# Altium PCB PicoBOB_DLX.pcbdoc (part 2 of 4)
Units mil, origin at the board's own origin, x right, y up, seen from the top; angles counter-clockwise.
Board outline 2219.49 x 2559.06 mil, 4 copper layers (Top Layer, G1_GND, G2_PWR, Bottom Layer), stack 23.756 mil thick; 146 components, 117 nets, 2972 pads, 241 vias.
Unrouted connection lines stored in the file: 14.
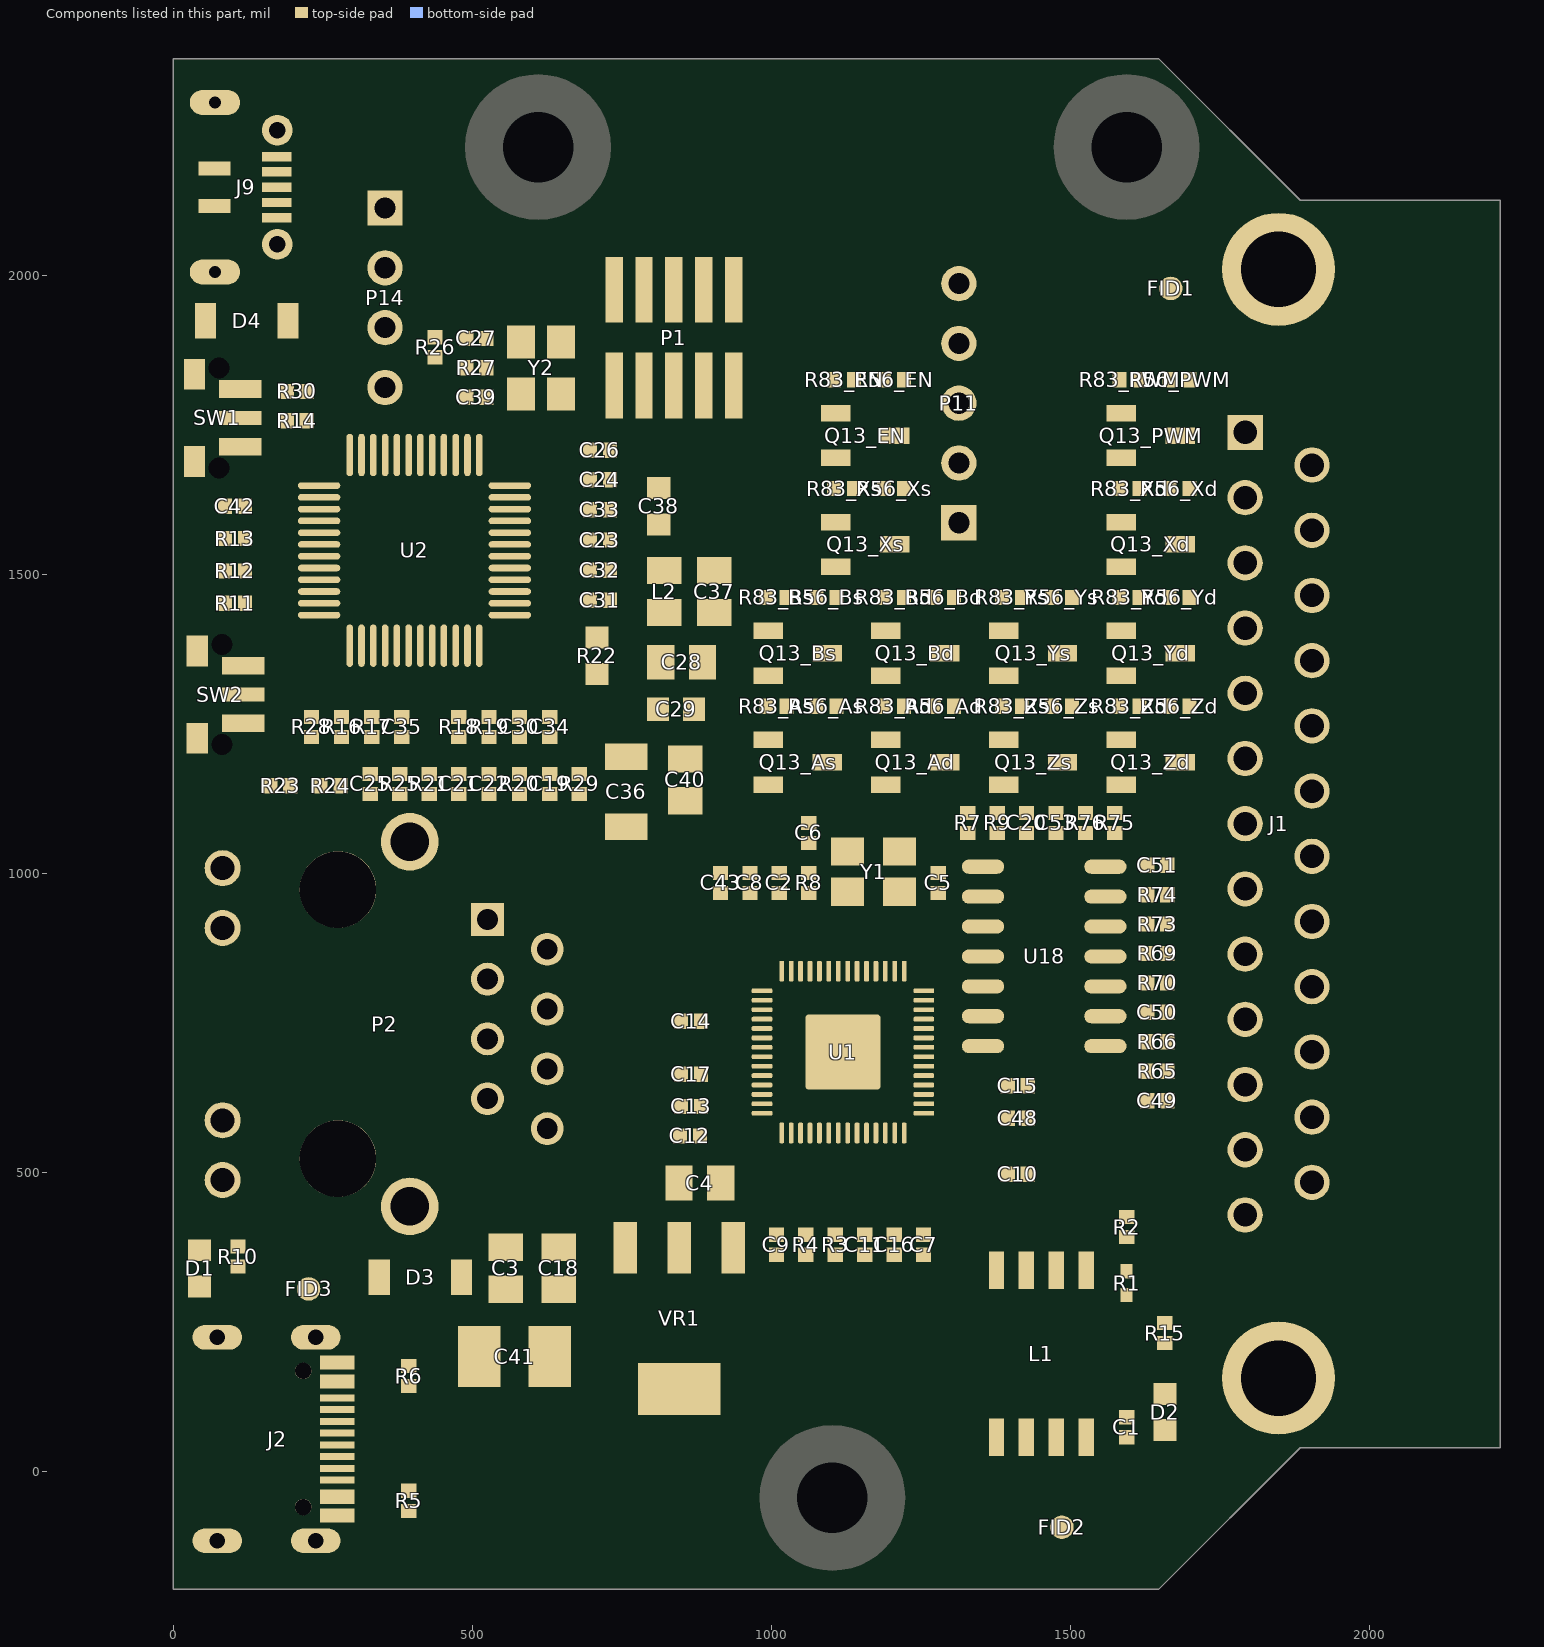
[diagram p4: the components of this part, seen from the top]

## Free pads (board coordinates)
  round 244.09 hole 118.11 unplated: 0(610.24,2214.57) 0(1102.36,-44.29) 0(1594.49,2214.57)
  round 0.93 on Top Solder: 1(830.19,2188.07) 1(830.19,2188.07) 1(830.45,2191.88) 1(830.45,2191.88) 1(830.71,2187.81) 1(830.71,2187.81) 1(830.95,2192.89) 1(830.95,2192.89) 1(831.46,2195.95) 1(831.46,2195.95) 1(832.22,2188.33) 1(832.22,2188.33) 1(832.73,2199) 1(832.73,2199) 1(832.99,2200.76) 1(832.99,2200.76) 1(834,2202.81) 1(834,2202.81) 1(834.26,2190.35) 1(834.26,2190.35) 1(834.26,2204.08) 1(834.26,2204.08) 1(834.51,2191.13) 1(834.51,2191.13) 1(835.01,2191.39) 1(835.01,2191.39) 1(835.27,2192.14) 1(835.27,2192.14) 1(836.02,2192.89) 1(836.02,2192.89) 1(836.02,2207.63) 1(836.02,2207.63) 1(836.28,2193.67) 1(836.28,2193.67) 1(836.8,2210.42) 1(836.8,2210.42) 1(837.05,2194.42) 1(837.05,2194.42) 1(837.55,2211.43) 1(837.55,2211.43) 1(837.81,2212.7) 1(837.81,2212.7) 1(838.07,2196.7) 1(838.07,2196.7) 1(838.56,2196.96) 1(838.56,2196.96) 1(838.56,2213.97) 1(838.56,2213.97) 1(838.82,2197.73) 1(838.82,2197.73) 1(838.82,2215.24) 1(838.82,2215.24) 1(839.33,2197.97) 1(839.33,2197.97) 1(839.33,2297.74) 1(839.33,2297.74) 1(839.59,2198.74) 1(839.59,2198.74) 1(839.59,2303.82) 1(839.59,2303.82) 1(840.09,2290.38) 1(840.09,2290.38) 1(840.09,2304.58) 1(840.09,2304.58) 1(840.35,2199.49) 1(840.35,2199.49) 1(840.35,2217.78) 1(840.35,2217.78) 1(840.6,2219.05) 1(840.6,2219.05) 1(840.6,2289.35) 1(840.6,2289.35) 1(840.6,2200.27) 1(840.6,2200.27) 1(840.86,2287.07) 1(840.86,2287.07) 1(840.86,2304.83) 1(840.86,2304.83) 1(841.1,2304.34) 1(841.1,2304.34) 1(841.36,2201.02) 1(841.36,2201.02) 1(841.61,2284.79) 1(841.61,2284.79) 1(841.61,2304.34) 1(841.61,2304.34) 1(842.13,2221.84) 1(842.13,2221.84) 1(842.37,2203.3) 1(842.37,2203.3) 1(842.37,2223.11) 1(842.37,2223.11) 1(842.88,2277.69) 1(842.88,2277.69) 1(842.88,2302.55) 1(842.88,2302.55) 1(843.14,2204.08) 1(843.14,2204.08) 1(843.4,2204.83) 1(843.4,2204.83) 1(843.4,2301.28) 1(843.4,2301.28) 1(843.64,2301.28) 1(843.64,2301.28) 1(844.15,2205.58) 1(844.15,2205.58) 1(844.15,2274.12) 1(844.15,2274.12) 1(844.41,2206.36) 1(844.41,2206.36) 1(844.41,2299.5) 1(844.41,2299.5) 1(844.67,2299.5) 1(844.67,2299.5) 1(844.91,2227.67) 1(844.91,2227.67) 1(844.91,2298.23) 1(844.91,2298.23) 1(845.16,2207.11) 1(845.16,2207.11) 1(845.16,2228.94) 1(845.16,2228.94) 1(845.16,2298.23) 1(845.16,2298.23) 1(845.42,2207.88) 1(845.42,2207.88) 1(845.42,2268.29) 1(845.42,2268.29) 1(845.68,2296.47) 1(845.68,2296.47) 1(845.94,2296.47) 1(845.94,2296.47) 1(846.18,2208.64) 1(846.18,2208.64) 1(846.43,2209.39) 1(846.43,2209.39) 1(846.69,2293.93) 1(846.69,2293.93) 1(846.95,2293.93) 1(846.95,2293.93) 1(847.21,2292.66) 1(847.21,2292.66) 1(847.44,2292.66) 1(847.44,2292.66) 1(847.96,2211.43) 1(847.96,2211.43) 1(848.22,2212.19) 1(848.22,2212.19) 1(848.22,2234.77) 1(848.22,2234.77) 1(848.22,2290.38) 1(848.22,2290.38) 1(848.48,2290.38) 1(848.48,2290.38) 1(848.71,2259.15) 1(848.71,2259.15) 1(848.71,2289.11) 1(848.71,2289.11) 1(848.97,2257.38) 1(848.97,2257.38) 1(848.97,2289.11) 1(848.97,2289.11) 1(849.23,2287.84) 1(849.23,2287.84) 1(849.49,2213.97) 1(849.49,2213.97) 1(849.49,2236.56) 1(849.49,2236.56) 1(849.49,2287.84) 1(849.49,2287.84) 1(849.75,2255.85) 1(849.75,2255.85) 1(849.75,2286.57) 1(849.75,2286.57) 1(849.98,2215.24) 1(849.98,2215.24) 1(849.98,2237.83) 1(849.98,2237.83) 1(849.98,2254.07) 1(849.98,2254.07) 1(849.98,2286.57) 1(849.98,2286.57) 1(850.5,2215.5) 1(850.5,2215.5) 1(850.5,2284.53) 1(850.5,2284.53) 1(850.76,2216.25) 1(850.76,2216.25) 1(850.76,2284.53) 1(850.76,2284.53) 1(851.01,2283.26) 1(851.01,2283.26) 1(851.25,2283.26) 1(851.25,2283.26) 1(851.51,2217.01) 1(851.51,2217.01) 1(851.51,2250.26) 1(851.51,2250.26) 1(851.51,2281.99) 1(851.51,2281.99) 1(851.77,2217.78) 1(851.77,2217.78) 1(851.77,2241.12) 1(851.77,2241.12) 1(851.77,2248.99) 1(851.77,2248.99) 1(851.77,2281.99) 1(851.77,2281.99) 1(852.03,2280.72) 1(852.03,2280.72) 1(852.28,2280.72) 1(852.28,2280.72) 1(852.52,2279.45) 1(852.52,2279.45) 1(852.78,2218.79) 1(852.78,2218.79) 1(852.78,2246.97) 1(852.78,2246.97) 1(852.78,2279.45) 1(852.78,2279.45) 1(853.04,2219.54) 1(853.04,2219.54) 1(853.04,2242.9) 1(853.04,2242.9) 1(853.04,2245.7) 1(853.04,2245.7) 1(853.04,2278.18) 1(853.04,2278.18) 1(853.29,2278.18) 1(853.29,2278.18) 1(853.55,2244.17) 1(853.55,2244.17) 1(853.79,2220.32) 1(853.79,2220.32) 1(853.79,2244.43) 1(853.79,2244.43) 1(853.79,2276.42) 1(853.79,2276.42) 1(854.05,2221.07) 1(854.05,2221.07) 1(854.05,2276.42) 1(854.05,2276.42) 1(854.31,2275.15) 1(854.31,2275.15) 1(854.56,2275.15) 1(854.56,2275.15) 1(854.82,2221.84) 1(854.82,2221.84) 1(855.06,2273.36) 1(855.06,2273.36) 1(855.32,2223.11) 1(855.32,2223.11) 1(855.32,2273.36) 1(855.32,2273.36) 1(855.83,2223.35) 1(855.83,2223.35) 1(856.09,2224.12) 1(856.09,2224.12) 1(856.33,2271.34) 1(856.33,2271.34) 1(857.1,2225.14) 1(857.1,2225.14) 1(857.36,2267.77) 1(857.36,2267.77) 1(857.36,2225.89) 1(857.36,2225.89) 1(857.6,2267.77) 1(857.6,2267.77) 1(857.86,2226.15) 1(857.86,2226.15) 1(857.86,2266.5) 1(857.86,2266.5) 1(858.11,2226.92) 1(858.11,2226.92) 1(858.11,2266.5) 1(858.11,2266.5) 1(858.63,2227.16) 1(858.63,2227.16) 1(858.87,2227.93) 1(858.87,2227.93) 1(859.38,2228.19) 1(859.38,2228.19) 1(859.64,2228.94) 1(859.64,2228.94) 1(860.39,2229.46) 1(860.39,2229.46) 1(860.91,2260.93) 1(860.91,2260.93) 1(861.17,2259.66) 1(861.17,2259.66) 1(861.41,2259.66) 1(861.41,2259.66) 1(861.92,2258.13) 1(861.92,2258.13) 1(862.67,2225.14) 1(862.67,2225.14) 1(863.45,2259.66) 1(863.45,2259.66) 1(863.71,2260.41) 1(863.71,2260.41) 1(864.72,2262.2) 1(864.72,2262.2) 1(865.47,2262.95) 1(865.47,2262.95) 1(865.73,2263.73) 1(865.73,2263.73) 1(866.24,2218.27) 1(866.24,2218.27) 1(866.48,2217.52) 1(866.48,2217.52) 1(866.74,2264.48) 1(866.74,2264.48) 1(867,2265.23) 1(867,2265.23) 1(867.51,2265.49) 1(867.51,2265.49) 1(867.75,2266.27) 1(867.75,2266.27) 1(867.75,2215.74) 1(867.75,2215.74) 1(868.01,2214.98) 1(868.01,2214.98) 1(868.78,2214.23) 1(868.78,2214.23) 1(869.02,2213.46) 1(869.02,2213.46) 1(869.28,2267.77) 1(869.28,2267.77) 1(869.54,2268.55) 1(869.54,2268.55) 1(869.79,2212.7) 1(869.79,2212.7) 1(870.05,2211.93) 1(870.05,2211.93) 1(870.29,2242.15) 1(870.29,2242.15) 1(870.55,2211.69) 1(870.55,2211.69) 1(870.55,2242.15) 1(870.55,2242.15) 1(870.55,2270.31) 1(870.55,2270.31) 1(870.8,2210.92) 1(870.8,2210.92) 1(871.06,2240.88) 1(871.06,2240.88) 1(871.32,2240.88) 1(871.32,2240.88) 1(871.56,2271.08) 1(871.56,2271.08) 1(871.56,2243.42) 1(871.56,2243.42) 1(871.82,2244.17) 1(871.82,2244.17) 1(871.82,2271.84) 1(871.82,2271.84) 1(872.07,2209.15) 1(872.07,2209.15) 1(872.07,2239.1) 1(872.07,2239.1) 1(872.33,2208.38) 1(872.33,2208.38) 1(872.33,2239.1) 1(872.33,2239.1) 1(872.83,2237.83) 1(872.83,2237.83) 1(872.83,2244.93) 1(872.83,2244.93) 1(873.09,2207.63) 1(873.09,2207.63) 1(873.09,2237.83) 1(873.09,2237.83) 1(873.09,2245.7) 1(873.09,2245.7) 1(873.34,2206.85) 1(873.34,2206.85) 1(873.6,2236.56) 1(873.6,2236.56) 1(873.86,2236.56) 1(873.86,2236.56) 1(874.1,2206.1) 1(874.1,2206.1) 1(874.1,2246.45) 1(874.1,2246.45) 1(874.35,2205.35) 1(874.35,2205.35) 1(874.35,2235.29) 1(874.35,2235.29) 1(874.35,2247.23) 1(874.35,2247.23) 1(874.35,2274.12) 1(874.35,2274.12) 1(874.61,2235.29) 1(874.61,2235.29) 1(874.61,2274.89) 1(874.61,2274.89) 1(874.87,2205.09) 1(874.87,2205.09) 1(875.13,2204.31) 1(875.13,2204.31) 1(875.13,2234.02) 1(875.13,2234.02) 1(875.37,2234.02) 1(875.37,2234.02) 1(875.62,2204.08) 1(875.62,2204.08) 1(875.62,2233.27) 1(875.62,2233.27) 1(875.62,2248.24) 1(875.62,2248.24) 1(875.62,2275.64) 1(875.62,2275.64) 1(875.88,2203.3) 1(875.88,2203.3) 1(875.88,2233.27) 1(875.88,2233.27) 1(875.88,2248.99) 1(875.88,2248.99) 1(875.88,2276.42) 1(875.88,2276.42) 1(876.14,2232.49) 1(876.14,2232.49) 1(876.4,2203.05) 1(876.4,2203.05) 1(876.4,2232.49) 1(876.4,2232.49) 1(876.63,2202.29) 1(876.63,2202.29) 1(876.63,2231.74) 1(876.63,2231.74) 1(876.89,2231.74) 1(876.89,2231.74) 1(876.89,2277.17) 1(876.89,2277.17) 1(877.15,2230.97) 1(877.15,2230.97) 1(877.15,2277.92) 1(877.15,2277.92) 1(877.41,2201.78) 1(877.41,2201.78) 1(877.41,2230.97) 1(877.41,2230.97) 1(877.67,2201.02) 1(877.67,2201.02) 1(877.67,2230.21) 1(877.67,2230.21) 1(877.9,2230.21) 1(877.9,2230.21) 1(878.42,2278.96) 1(878.42,2278.96) 1(878.68,2200.27) 1(878.68,2200.27) 1(878.68,2279.71) 1(878.68,2279.71) 1(878.94,2199.49) 1(878.94,2199.49) 1(878.94,2228.43) 1(878.94,2228.43) 1(879.17,2228.43) 1(879.17,2228.43) 1(879.69,2227.42) 1(879.69,2227.42) 1(879.95,2198.74) 1(879.95,2198.74) 1(879.95,2227.42) 1(879.95,2227.42) 1(880.2,2197.97) 1(880.2,2197.97) 1(880.2,2226.66) 1(880.2,2226.66) 1(880.44,2226.66) 1(880.44,2226.66) 1(880.96,2225.65) 1(880.96,2225.65) 1(881.22,2197.21) 1(881.22,2197.21) 1(881.22,2225.65) 1(881.22,2225.65) 1(881.47,2196.46) 1(881.47,2196.46) 1(881.47,2224.88) 1(881.47,2224.88) 1(881.71,2224.88) 1(881.71,2224.88) 1(882.23,2223.87) 1(882.23,2223.87) 1(882.49,2195.69) 1(882.49,2195.69) 1(882.49,2223.87) 1(882.49,2223.87) 1(882.74,2194.93) 1(882.74,2194.93) 1(882.74,2223.11) 1(882.74,2223.11) 1(882.74,2255.6) 1(882.74,2255.6) 1(882.98,2223.11) 1(882.98,2223.11) 1(882.98,2256.35) 1(882.98,2256.35) 1(883.5,2222.08) 1(883.5,2222.08) 1(883.75,2222.08) 1(883.75,2222.08) 1(884.01,2221.33) 1(884.01,2221.33) 1(884.25,2221.33) 1(884.25,2221.33) 1(884.25,2257.62) 1(884.25,2257.62) 1(884.77,2220.32) 1(884.77,2220.32) 1(885.02,2220.32) 1(885.02,2220.32) 1(885.02,2257.88) 1(885.02,2257.88) 1(885.78,2219.54) 1(885.78,2219.54) 1(885.78,2258.89) 1(885.78,2258.89) 1(886.04,2218.79) 1(886.04,2218.79) 1(886.29,2218.79) 1(886.29,2218.79) 1(886.55,2259.15) 1(886.55,2259.15) 1(887.3,2217.78) 1(887.3,2217.78) 1(887.3,2288.34) 1(887.3,2288.34) 1(887.56,2217.01) 1(887.56,2217.01) 1(887.82,2217.01) 1(887.82,2217.01) 1(888.06,2288.59) 1(888.06,2288.59) 1(889.09,2261.94) 1(889.09,2261.94) 1(889.84,2262.2) 1(889.84,2262.2) 1(890.36,2214.47) 1(890.36,2214.47) 1(890.36,2291.13) 1(890.36,2291.13) 1(890.6,2213.71) 1(890.6,2213.71) 1(890.6,2263.21) 1(890.6,2263.21) 1(890.85,2213.71) 1(890.85,2213.71) 1(891.11,2291.39) 1(891.11,2291.39) 1(891.37,2263.47) 1(891.37,2263.47) 1(892.12,2185.53) 1(892.12,2185.53) 1(892.12,2292.4) 1(892.12,2292.4) 1(892.38,2264.74) 1(892.38,2264.74) 1(892.9,2185.28) 1(892.9,2185.28) 1(892.9,2292.66) 1(892.9,2292.66) 1(893.13,2265) 1(893.13,2265) 1(893.65,2184.27) 1(893.65,2184.27) 1(893.65,2293.67) 1(893.65,2293.67) 1(894.4,2184.01) 1(894.4,2184.01) 1(894.4,2293.93) 1(894.4,2293.93) 1(894.66,2266.5) 1(894.66,2266.5) 1(895.43,2295.2) 1(895.43,2295.2) 1(895.43,2182.74) 1(895.43,2182.74) 1(895.43,2266.76) 1(895.43,2266.76) 1(895.67,2267.28) 1(895.67,2267.28) 1(896.19,2182.5) 1(896.19,2182.5) 1(896.19,2295.46) 1(896.19,2295.46) 1(896.45,2267.53) 1(896.45,2267.53) 1(896.94,2181.47) 1(896.94,2181.47) 1(896.94,2296.47) 1(896.94,2296.47) 1(897.46,2206.85) 1(897.46,2206.85) 1(897.72,2181.23) 1(897.72,2181.23) 1(897.72,2296.72) 1(897.72,2296.72) 1(897.97,2206.85) 1(897.97,2206.85) 1(897.97,2269.04) 1(897.97,2269.04) 1(898.21,2180.46) 1(898.21,2180.46) 1(898.73,2269.3) 1(898.73,2269.3) 1(898.73,2297.74) 1(898.73,2297.74) 1(898.98,2180.2) 1(898.98,2180.2) 1(898.98,2205.58) 1(898.98,2205.58) 1(899.24,2179.71) 1(899.24,2179.71) 1(899.48,2205.58) 1(899.48,2205.58) 1(899.48,2297.99) 1(899.48,2297.99) 1(899.74,2270.31) 1(899.74,2270.31) 1(900,2179.45) 1(900,2179.45) 1(900.25,2178.93) 1(900.25,2178.93) 1(900.51,2270.57) 1(900.51,2270.57) 1(900.51,2299) 1(900.51,2299) 1(900.75,2204.08) 1(900.75,2204.08) 1(901.01,2178.69) 1(901.01,2178.69) 1(901.26,2204.08) 1(901.26,2204.08) 1(901.26,2299.26) 1(901.26,2299.26) 1(901.52,2271.58) 1(901.52,2271.58) 1(901.78,2177.92) 1(901.78,2177.92) 1(902.28,2202.81) 1(902.28,2202.81) 1(902.28,2271.84) 1(902.28,2271.84) 1(902.28,2300.27) 1(902.28,2300.27) 1(902.53,2177.66) 1(902.53,2177.66) 1(902.79,2202.81) 1(902.79,2202.81) 1(903.29,2176.91) 1(903.29,2176.91) 1(903.29,2202.03) 1(903.29,2202.03) 1(903.29,2272.85) 1(903.29,2272.85) 1(903.8,2202.03) 1(903.8,2202.03) 1(904.06,2201.54) 1(904.06,2201.54) 1(904.06,2273.11) 1(904.06,2273.11) 1(904.32,2273.62) 1(904.32,2273.62) 1(904.56,2176.39) 1(904.56,2176.39) 1(904.56,2201.54) 1(904.56,2201.54) 1(905.07,2301.54) 1(905.07,2301.54) 1(905.07,2200.76) 1(905.07,2200.76) 1(905.33,2175.64) 1(905.33,2175.64) 1(905.59,2200.76) 1(905.59,2200.76) 1(905.83,2200.27) 1(905.83,2200.27) 1(906.08,2175.38) 1(906.08,2175.38) 1(906.08,2274.37) 1(906.08,2274.37) 1(906.08,2302.55) 1(906.08,2302.55) 1(906.34,2200.27) 1(906.34,2200.27) 1(906.86,2174.63) 1(906.86,2174.63) 1(906.86,2199.49) 1(906.86,2199.49) 1(906.86,2275.15) 1(906.86,2275.15) 1(907.35,2199.49) 1(907.35,2199.49) 1(907.61,2174.37) 1(907.61,2174.37) 1(907.61,2199) 1(907.61,2199) 1(907.61,2275.39) 1(907.61,2275.39) 1(907.87,2275.9) 1(907.87,2275.9) 1(907.87,2303.31) 1(907.87,2303.31) 1(908.13,2199) 1(908.13,2199) 1(908.62,2198.23) 1(908.62,2198.23) 1(909.14,2198.23) 1(909.14,2198.23) 1(909.4,2173.1) 1(909.4,2173.1) 1(909.4,2197.73) 1(909.4,2197.73) 1(909.63,2276.91) 1(909.63,2276.91) 1(909.89,2197.73) 1(909.89,2197.73) 1(909.89,2304.58) 1(909.89,2304.58) 1(910.15,2172.84) 1(910.15,2172.84) 1(910.15,2197.21) 1(910.15,2197.21) 1(910.66,2197.21) 1(910.66,2197.21) 1(910.9,2196.7) 1(910.9,2196.7) 1(910.9,2277.43) 1(910.9,2277.43) 1(911.42,2196.7) 1(911.42,2196.7) 1(911.68,2196.2) 1(911.68,2196.2) 1(911.68,2278.18) 1(911.68,2278.18) 1(911.68,2305.61) 1(911.68,2305.61) 1(911.93,2171.57) 1(911.93,2171.57) 1(912.17,2196.2) 1(912.17,2196.2) 1(912.43,2195.69) 1(912.43,2195.69) 1(912.94,2195.69) 1(912.94,2195.69) 1(913.44,2279.19) 1(913.44,2279.19) 1(913.7,2194.93) 1(913.7,2194.93) 1(914.21,2194.93) 1(914.21,2194.93) 1(915.23,2280.23) 1(915.23,2280.23) 1(916.49,2280.46) 1(916.49,2280.46) 1(916.75,2169.04) 1(916.75,2169.04) 1(918.02,2168.78) 1(918.02,2168.78) 1(918.52,2168.28) 1(918.52,2168.28) 1(919.79,2168.02) 1(919.79,2168.02) 1(919.79,2309.91) 1(919.79,2309.91) 1(920.82,2167.27) 1(920.82,2167.27) 1(921.06,2283) 1(921.06,2283) 1(922.09,2167.01) 1(922.09,2167.01) 1(922.32,2283.26) 1(922.32,2283.26) 1(922.58,2310.68) 1(922.58,2310.68) 1(922.84,2190.35) 1(922.84,2190.35) 1(922.84,2283.77) 1(922.84,2283.77) 1(923.59,2190.35) 1(923.59,2190.35) 1(923.85,2166) 1(923.85,2166) 1(924.11,2311.7) 1(924.11,2311.7) 1(924.63,2189.6) 1(924.63,2189.6) 1(924.86,2284.27) 1(924.86,2284.27) 1(925.38,2189.6) 1(925.38,2189.6) 1(925.89,2189.08) 1(925.89,2189.08) 1(926.65,2189.08) 1(926.65,2189.08) 1(926.91,2285.3) 1(926.91,2285.3) 1(927.92,2188.33) 1(927.92,2188.33) 1(928.17,2164.48) 1(928.17,2164.48) 1(928.43,2312.97) 1(928.43,2312.97) 1(928.67,2188.33) 1(928.67,2188.33) 1(930.71,2187.32) 1(930.71,2187.32) 1(931.21,2286.57) 1(931.21,2286.57) 1(931.47,2187.32) 1(931.47,2187.32) 1(932.48,2162.95) 1(932.48,2162.95) 1(932.99,2186.55) 1(932.99,2186.55) 1(932.99,2314.73) 1(932.99,2314.73) 1(933.25,2287.58) 1(933.25,2287.58) 1(934,2186.55) 1(934,2186.55) 1(934.52,2186.05) 1(934.52,2186.05) 1(935.27,2186.05) 1(935.27,2186.05) 1(935.27,2314.99) 1(935.27,2314.99) 1(935.79,2288.08) 1(935.79,2288.08) 1(937.06,2185.53) 1(937.06,2185.53) 1(937.32,2288.85) 1(937.32,2288.85) 1(937.55,2316) 1(937.55,2316) 1(939.34,2184.78) 1(939.34,2184.78) 1(939.6,2161.16) 1(939.6,2161.16) 1(940.61,2184.78) 1(940.61,2184.78) 1(941.36,2184.27) 1(941.36,2184.27) 1(941.36,2289.86) 1(941.36,2289.86) 1(941.88,2160.93) 1(941.88,2160.93) 1(942.39,2316.77) 1(942.39,2316.77) 1(942.63,2184.27) 1(942.63,2184.27) 1(943.66,2183.77) 1(943.66,2183.77) 1(943.66,2290.12) 1(943.66,2290.12) 1(945.17,2183.77) 1(945.17,2183.77) 1(945.94,2290.87) 1(945.94,2290.87) 1(946.2,2183.25) 1(946.2,2183.25) 1(946.7,2159.66) 1(946.7,2159.66) 1(947.21,2318.04) 1(947.21,2318.04) 1(947.47,2183.25) 1(947.47,2183.25) 1(948.48,2182.74) 1(948.48,2182.74) 1(949.23,2291.13) 1(949.23,2291.13) 1(949.75,2182.74) 1(949.75,2182.74) 1(950.5,2291.65) 1(950.5,2291.65) 1(950.76,2182.24) 1(950.76,2182.24) 1(952.03,2182.24) 1(952.03,2182.24) 1(953.56,2318.8) 1(953.56,2318.8) 1(953.82,2291.89) 1(953.82,2291.89) 1(954.31,2181.73) 1(954.31,2181.73) 1(954.83,2319.31) 1(954.83,2319.31) 1(955.08,2292.4) 1(955.08,2292.4) 1(956.85,2181.73) 1(956.85,2181.73) 1(958.38,2292.92) 1(958.38,2292.92) 1(959.13,2181.23) 1(959.13,2181.23) 1(959.39,2157.87) 1(959.39,2157.87) 1(961.67,2181.23) 1(961.67,2181.23) 1(962.7,2320.06) 1(962.7,2320.06) 1(965.48,2293.41) 1(965.48,2293.41) 1(966.74,2180.46) 1(966.74,2180.46) 1(968.01,2320.32) 1(968.01,2320.32) 1(971.82,2180.46) 1(971.82,2180.46) 1(973.09,2157.12) 1(973.09,2157.12) 1(977.67,2293.67) 1(977.67,2293.67) 1(984.51,2320.06) 1(984.51,2320.06) 1(985.54,2293.15) 1(985.54,2293.15) 1(987.31,2320.06) 1(987.31,2320.06) 1(990.62,2292.4) 1(990.62,2292.4) 1(991.89,2180.2) 1(991.89,2180.2) 1(995.44,2292.14) 1(995.44,2292.14) 1(995.94,2319.05) 1(995.94,2319.05) 1(996.45,2157.36) 1(996.45,2157.36) 1(997.46,2291.65) 1(997.46,2291.65) 1(998.99,2319.05) 1(998.99,2319.05) 1(1000.77,2291.39) 1(1000.77,2291.39) 1(1003.55,2290.62) 1(1003.55,2290.62) 1(1005.85,2181.23) 1(1005.85,2181.23) 1(1006.09,2318.04) 1(1006.09,2318.04) 1(1007.62,2290.12) 1(1007.62,2290.12) 1(1008.39,2181.73) 1(1008.39,2181.73) 1(1010.67,2317.03) 1(1010.67,2317.03) 1(1013.47,2288.59) 1(1013.47,2288.59) 1(1013.7,2181.99) 1(1013.7,2181.99) 1(1013.7,2317.03) 1(1013.7,2317.03) 1(1014.73,2158.88) 1(1014.73,2158.88) 1(1015.23,2288.34) 1(1015.23,2288.34) 1(1016,2287.84) 1(1016,2287.84) 1(1016.76,2316) 1(1016.76,2316) 1(1018.28,2316) 1(1018.28,2316) 1(1020.31,2287.07) 1(1020.31,2287.07) 1(1021.08,2286.57) 1(1021.08,2286.57) 1(1022.85,2314.73) 1(1022.85,2314.73) 1(1023.62,2286.06) 1(1023.62,2286.06) 1(1024.37,2314.73) 1(1024.37,2314.73) 1(1024.89,2285.3) 1(1024.89,2285.3) 1(1027.66,2284.79) 1(1027.66,2284.79) 1(1029.19,2160.67) 1(1029.19,2160.67) 1(1032.5,2161.42) 1(1032.5,2161.42) 1(1033,2282.76) 1(1033,2282.76) 1(1033.77,2184.78) 1(1033.77,2184.78) 1(1035.04,2185.28) 1(1035.04,2185.28) 1(1035.79,2161.68) 1(1035.79,2161.68) 1(1037.32,2281.49) 1(1037.32,2281.49) 1(1037.82,2185.53) 1(1037.82,2185.53) 1(1038.59,2280.72) 1(1038.59,2280.72) 1(1038.85,2311.18) 1(1038.85,2311.18) 1(1042.14,2162.95) 1(1042.14,2162.95) 1(1042.14,2279.71) 1(1042.14,2279.71) 1(1043.41,2309.42) 1(1043.41,2309.42) 1(1043.92,2278.7) 1(1043.92,2278.7) 1(1044.16,2186.8) 1(1044.16,2186.8) 1(1044.42,2309.42) 1(1044.42,2309.42) 1(1045.43,2163.21) 1(1045.43,2163.21) 1(1048.23,2187.06) 1(1048.23,2187.06) 1(1048.49,2163.96) 1(1048.49,2163.96) 1(1049.76,2276.91) 1(1049.76,2276.91) 1(1050.51,2187.81) 1(1050.51,2187.81) 1(1051.28,2164.22) 1(1051.28,2164.22) 1(1051.54,2275.9) 1(1051.54,2275.9) 1(1052.55,2164.73) 1(1052.55,2164.73) 1(1052.81,2275.64) 1(1052.81,2275.64) 1(1052.81,2306.62) 1(1052.81,2306.62) 1(1053.82,2188.07) 1(1053.82,2188.07) 1(1053.82,2306.62) 1(1053.82,2306.62) 1(1054.08,2274.89) 1(1054.08,2274.89) 1(1054.83,2305.85) 1(1054.83,2305.85) 1(1055.58,2305.85) 1(1055.58,2305.85) 1(1056.1,2305.35) 1(1056.1,2305.35) 1(1056.85,2188.85) 1(1056.85,2188.85) 1(1056.85,2305.35) 1(1056.85,2305.35) 1(1058.38,2273.62) 1(1058.38,2273.62) 1(1059.16,2304.34) 1(1059.16,2304.34) 1(1059.65,2272.85) 1(1059.65,2272.85) 1(1060.17,2189.08) 1(1060.17,2189.08) 1(1060.17,2304.34) 1(1060.17,2304.34) 1(1060.92,2272.61) 1(1060.92,2272.61) 1(1061.18,2303.57) 1(1061.18,2303.57) 1(1061.44,2272.09) 1(1061.44,2272.09) 1(1061.69,2166.24) 1(1061.69,2166.24) 1(1061.93,2303.57) 1(1061.93,2303.57) 1(1062.45,2303.07) 1(1062.45,2303.07) 1(1062.7,2271.84) 1(1062.7,2271.84) 1(1063.2,2303.07) 1(1063.2,2303.07) 1(1063.97,2167.01) 1(1063.97,2167.01) 1(1065.5,2302.04) 1(1065.5,2302.04) 1(1065.74,2190.12) 1(1065.74,2190.12) 1(1066,2270.07) 1(1066,2270.07) 1(1066.25,2167.27) 1(1066.25,2167.27) 1(1066.51,2302.04) 1(1066.51,2302.04) 1(1066.77,2190.61) 1(1066.77,2190.61) 1(1067.52,2301.28) 1(1067.52,2301.28) 1(1068.04,2269.56) 1(1068.04,2269.56) 1(1068.28,2301.28) 1(1068.28,2301.28) 1(1068.53,2168.02) 1(1068.53,2168.02) 1(1068.79,2300.77) 1(1068.79,2300.77) 1(1069.55,2300.77) 1(1069.55,2300.77) 1(1070.06,2190.87) 1(1070.06,2190.87) 1(1070.06,2268.29) 1(1070.06,2268.29) 1(1070.06,2300.27) 1(1070.06,2300.27) 1(1070.82,2168.28) 1(1070.82,2168.28) 1(1070.82,2300.27) 1(1070.82,2300.27) 1(1071.33,2268.03) 1(1071.33,2268.03) 1(1071.33,2299.76) 1(1071.33,2299.76) 1(1072.08,2299.76) 1(1072.08,2299.76) 